# KiCad board CowPi-mk4b.kicad_pcb
title: Cow Pi; date: 2023-09-29; rev: mk4b; note: This source describes Open Hardware and is licensed under the CRN-OHLP v2.; note: Copyright (c) 2023 Christopher A. Bohn; note: Display Module: I2C-controlled, pre-packaged SSD13xx 128x64 OLED graphic display; note: Microcontroller: Raspberry Pi Pico -- ADC/SWD/UART at 3.3V; other pins boosted to 5V
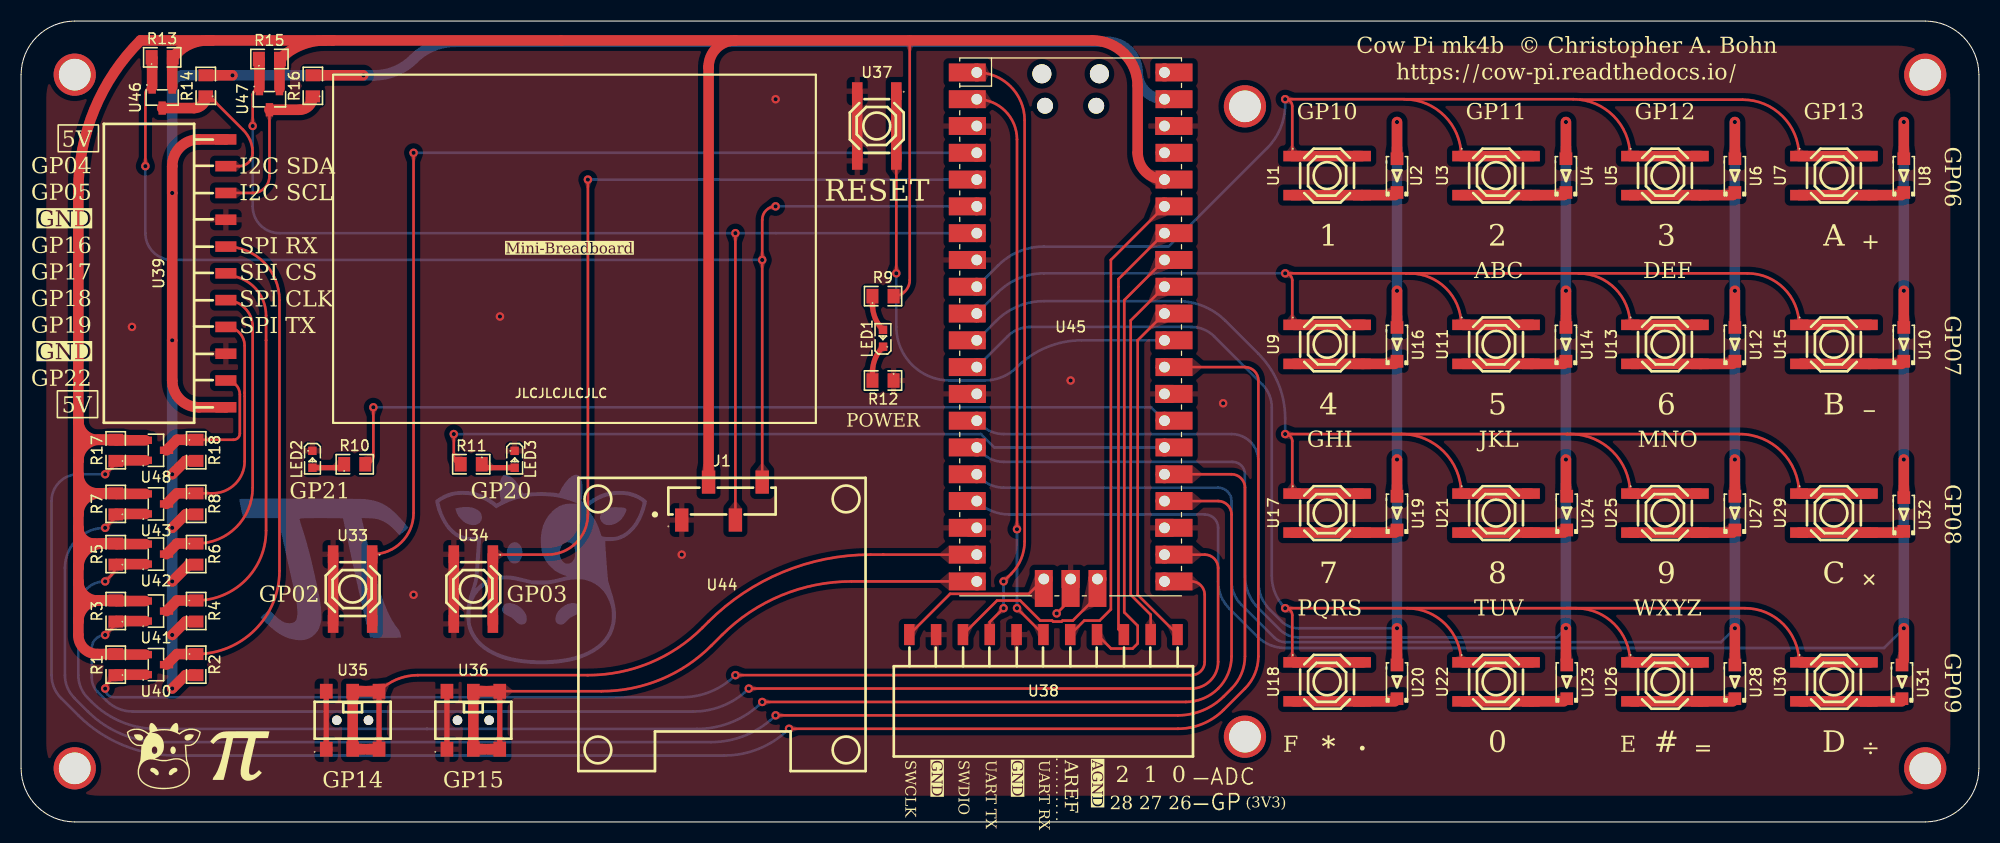
[diagram p0: board, top side]
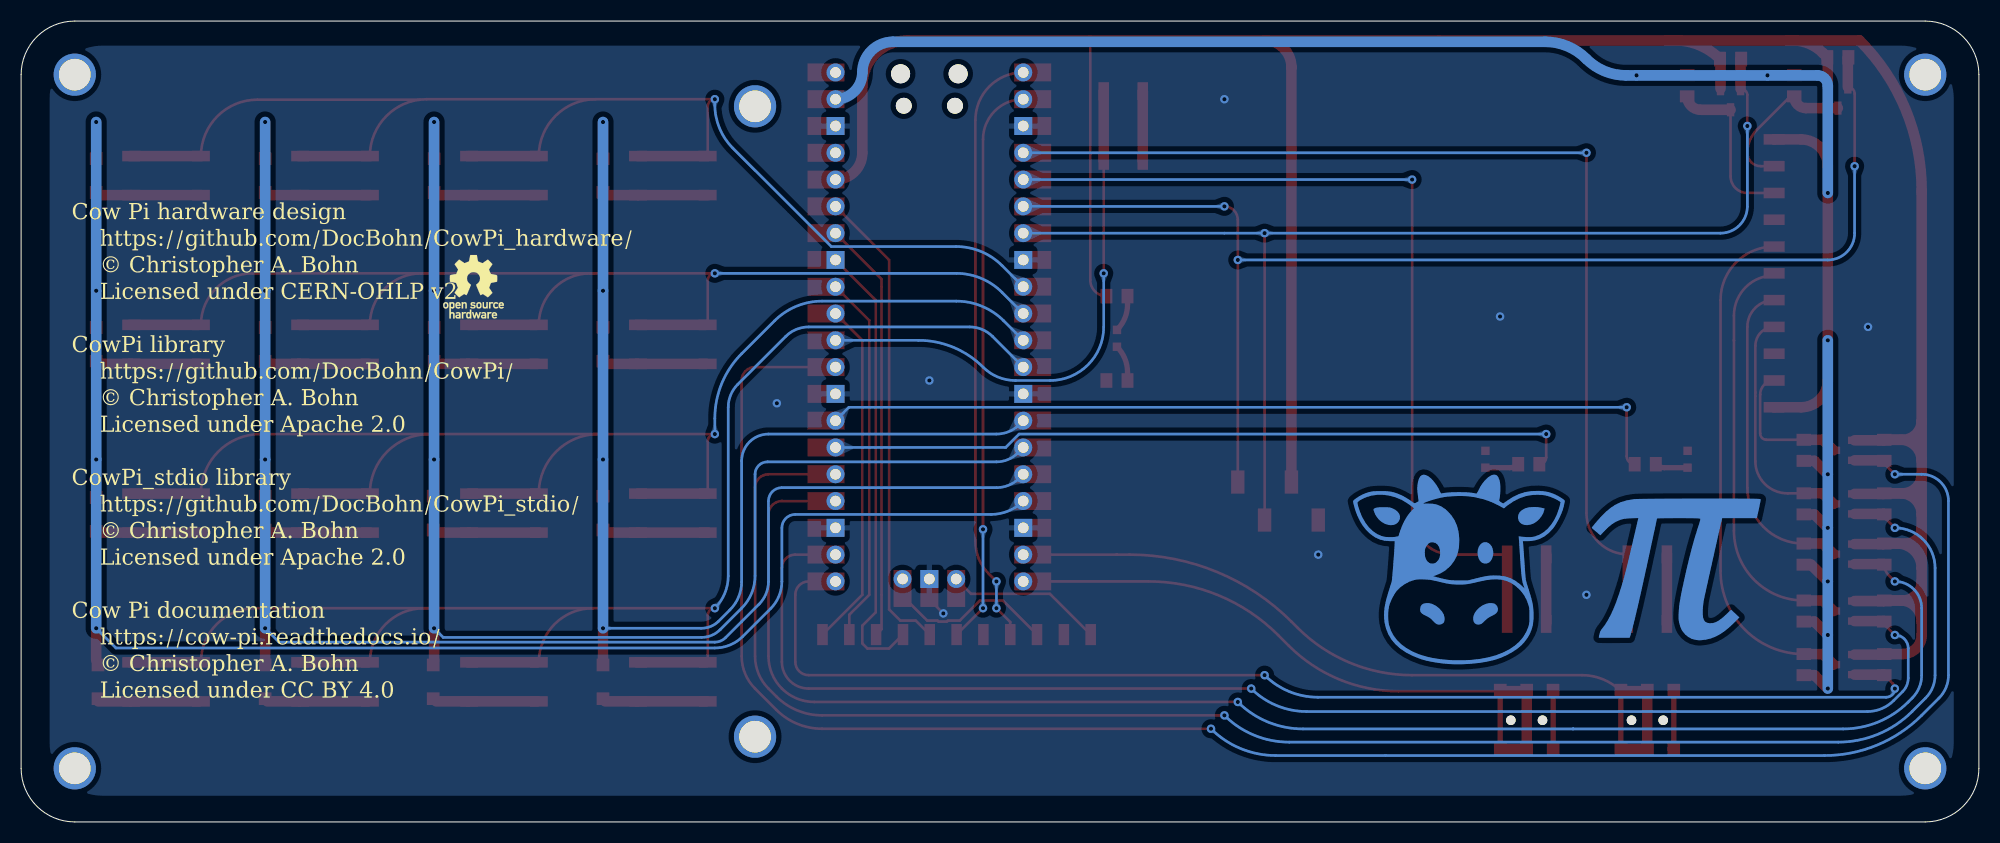
[diagram p1: board, bottom side, seen from below]

Outline 185.42 x 75.93 mm; copper layers: Top, Bottom. Coordinates in mm from the lower left corner of the outline.
Outline path: 0,70.85 0,5.08 arc(1.49,1.49) 5.08,0 180.34,0 arc(183.93,1.49) 185.42,5.08 185.42,70.85 arc(183.93,74.44) 180.34,75.93 5.08,75.93 arc(1.49,74.44) 0,70.85
Stack: Top 0.035mm / dielectric 1.51mm FR4 er 4.5 / Bottom 0.035mm

## Placement (name value [footprint] x y rotation side)
G***  LOGO  [CowPiLogo-14x7]  16.85 6.29 0 top
G***#2  LOGO  [CowPiLogo-40x20]  39.71 24.07 180 bottom
H1  MountingHole  [MountingHole_3mm_Pad]  5.08 5.08 0 top
H2  MountingHole  [MountingHole_3mm_Pad]  180.34 5.08 0 top
H3  MountingHole  [MountingHole_3mm_Pad]  5.08 70.85 0 top
H4  MountingHole  [MountingHole_3mm_Pad]  180.34 70.85 0 top
H5  MountingHole  [MountingHole_3mm_Pad]  115.91 67.85 0 top
H6  MountingHole  [MountingHole_3mm_Pad]  115.91 8.08 0 top
J1  X6511WVS-04H-C60D48R2  [HDR-SMD_4P-P2.54-V-M-LS4.8_R2]  66.38 30.42 0 top
LED1  KT-0603R  [LED0603-RD]  81.63 45.85 90 top
LED2  KT-0603R  [LED0603-RD]  27.59 34.38 270 top
LED3  KT-0603R  [LED0603-RD]  46.74 34.38 270 top
R1  0805W8F1002T5E  [R0805]  8.96 14.91 90 top
R2  0805W8F1002T5E  [R0805]  16.58 14.91 270 top
R3  0805W8F1002T5E  [R0805]  8.96 19.99 90 top
R4  0805W8F1002T5E  [R0805]  16.58 19.99 270 top
R5  0805W8F1002T5E  [R0805]  8.96 25.39 90 top
R6  0805W8F1002T5E  [R0805]  16.58 25.39 270 top
R7  0805W8F1002T5E  [R0805]  8.96 30.15 90 top
R8  0805W8F1002T5E  [R0805]  16.58 30.15 270 top
R9  0805W8F1001T5E  [R0805]  81.63 49.85 0 top
R10  0805W8F1001T5E  [R0805]  31.6 33.91 0 top
R11  0805W8F1001T5E  [R0805]  42.63 33.91 180 top
R12  0805W8F1001T5E  [R0805]  81.63 41.85 180 top
R13  0805W8F1002T5E  [R0805]  13.36 72.49 0 top
R14  0805W8F1002T5E  [R0805]  17.49 69.79 90 top
R15  0805W8F1002T5E  [R0805]  23.52 72.33 0 top
R16  0805W8F1002T5E  [R0805]  27.63 69.79 90 top
R17  0805W8F1002T5E  [R0805]  8.96 35.23 90 top
R18  0805W8F1002T5E  [R0805]  16.58 35.23 270 top
REF**  -  [OSHW-Logo_5.7x6mm_SilkScreen]  142.58 50.74 180 bottom
U1  TS-1187A-B-A-B  [SW-SMD_4P-L5.1-W5.1-P3.70-LS6.5-TL-2]  123.69 61.28 0 top
U2  1N4001_C2892326  [SOD-123FL_L2.8-W1.8-LS3.7-RD]  130.31 61.28 90 top
U3  TS-1187A-B-A-B  [SW-SMD_4P-L5.1-W5.1-P3.70-LS6.5-TL-2]  139.69 61.28 0 top
U4  1N4001_C2892326  [SOD-123FL_L2.8-W1.8-LS3.7-RD]  146.31 61.28 90 top
U5  TS-1187A-B-A-B  [SW-SMD_4P-L5.1-W5.1-P3.70-LS6.5-TL-2]  155.69 61.28 0 top
U6  1N4001_C2892326  [SOD-123FL_L2.8-W1.8-LS3.7-RD]  162.31 61.28 90 top
U7  TS-1187A-B-A-B  [SW-SMD_4P-L5.1-W5.1-P3.70-LS6.5-TL-2]  171.69 61.28 0 top
U8  1N4001_C2892326  [SOD-123FL_L2.8-W1.8-LS3.7-RD]  178.31 61.28 90 top
U9  TS-1187A-B-A-B  [SW-SMD_4P-L5.1-W5.1-P3.70-LS6.5-TL-2]  123.69 45.28 0 top
U10  1N4001_C2892326  [SOD-123FL_L2.8-W1.8-LS3.7-RD]  178.31 45.28 90 top
U11  TS-1187A-B-A-B  [SW-SMD_4P-L5.1-W5.1-P3.70-LS6.5-TL-2]  139.69 45.28 0 top
U12  1N4001_C2892326  [SOD-123FL_L2.8-W1.8-LS3.7-RD]  162.31 45.28 90 top
U13  TS-1187A-B-A-B  [SW-SMD_4P-L5.1-W5.1-P3.70-LS6.5-TL-2]  155.69 45.28 0 top
U14  1N4001_C2892326  [SOD-123FL_L2.8-W1.8-LS3.7-RD]  146.31 45.28 90 top
U15  TS-1187A-B-A-B  [SW-SMD_4P-L5.1-W5.1-P3.70-LS6.5-TL-2]  171.69 45.28 0 top
U16  1N4001_C2892326  [SOD-123FL_L2.8-W1.8-LS3.7-RD]  130.31 45.28 90 top
U17  TS-1187A-B-A-B  [SW-SMD_4P-L5.1-W5.1-P3.70-LS6.5-TL-2]  123.69 29.28 0 top
U18  TS-1187A-B-A-B  [SW-SMD_4P-L5.1-W5.1-P3.70-LS6.5-TL-2]  123.69 13.28 0 top
U19  1N4001_C2892326  [SOD-123FL_L2.8-W1.8-LS3.7-RD]  130.31 29.28 90 top
U20  1N4001_C2892326  [SOD-123FL_L2.8-W1.8-LS3.7-RD]  130.31 13.28 90 top
U21  TS-1187A-B-A-B  [SW-SMD_4P-L5.1-W5.1-P3.70-LS6.5-TL-2]  139.69 29.28 0 top
U22  TS-1187A-B-A-B  [SW-SMD_4P-L5.1-W5.1-P3.70-LS6.5-TL-2]  139.69 13.28 0 top
U23  1N4001_C2892326  [SOD-123FL_L2.8-W1.8-LS3.7-RD]  146.39 13.28 90 top
U24  1N4001_C2892326  [SOD-123FL_L2.8-W1.8-LS3.7-RD]  146.39 29.28 90 top
U25  TS-1187A-B-A-B  [SW-SMD_4P-L5.1-W5.1-P3.70-LS6.5-TL-2]  155.69 29.28 0 top
U26  TS-1187A-B-A-B  [SW-SMD_4P-L5.1-W5.1-P3.70-LS6.5-TL-2]  155.69 13.28 0 top
U27  1N4001_C2892326  [SOD-123FL_L2.8-W1.8-LS3.7-RD]  162.31 29.28 90 top
U28  1N4001_C2892326  [SOD-123FL_L2.8-W1.8-LS3.7-RD]  162.31 13.28 90 top
U29  TS-1187A-B-A-B  [SW-SMD_4P-L5.1-W5.1-P3.70-LS6.5-TL-2]  171.69 29.28 0 top
U30  TS-1187A-B-A-B  [SW-SMD_4P-L5.1-W5.1-P3.70-LS6.5-TL-2]  171.69 13.28 0 top
U31  1N4001_C2892326  [SOD-123FL_L2.8-W1.8-LS3.7-RD]  178.14 13.28 90 top
U32  1N4001_C2892326  [SOD-123FL_L2.8-W1.8-LS3.7-RD]  178.31 29.15 90 top
U33  TS-1187A-B-A-B  [SW-SMD_4P-L5.1-W5.1-P3.70-LS6.5-TL-2]  31.4 22.07 270 top
U34  TS-1187A-B-A-B  [SW-SMD_4P-L5.1-W5.1-P3.70-LS6.5-TL-2]  42.83 22.07 270 top
U35  SS-3390S-L0  [SW-SMD_6P-P2.50_L3.5-W7.2]  31.4 9.64 0 top
U36  SS-3390S-L0  [SW-SMD_6P-P2.50_L3.5-W7.2]  42.83 9.64 0 top
U37  TS-1187A-B-A-B  [SW-SMD_4P-L5.1-W5.1-P3.70-LS6.5-TL-2]  81.04 65.98 270 top
U38  X6511FRS-11-C85D30  [HDR-SMD_11P-P2.54-H-F-L11.5]  96.82 17.76 0 top
U39  X6511FRS-11-C85D30  [HDR-SMD_11P-P2.54-H-F-L11.5]  19.39 52.01 270 top
U40  BSS138_C3015220  [SOT-23-3_L2.9-W1.3-P1.90-LS2.4-BR-1]  12.77 14.91 180 top
U41  BSS138_C3015220  [SOT-23-3_L2.9-W1.3-P1.90-LS2.4-BR-1]  12.77 19.99 180 top
U42  BSS138_C3015220  [SOT-23-3_L2.9-W1.3-P1.90-LS2.4-BR-1]  12.77 25.39 180 top
U43  BSS138_C3015220  [SOT-23-3_L2.9-W1.3-P1.90-LS2.4-BR-1]  12.77 30.15 180 top
U44  HS96L03W2C03  [OLED-TH_L27.8-W27.2-P2.54_C9900033791]  66.38 30.42 0 top
U45  Pico  [RPi_Pico_SMD_TH]  99.4 46.93 0 top
U46  BSS138_C3015220  [SOT-23-3_L2.9-W1.3-P1.90-LS2.4-BR-1]  13.36 68.68 90 top
U47  BSS138_C3015220  [SOT-23-3_L2.9-W1.3-P1.90-LS2.4-BR-1]  23.52 68.52 90 top
U48  BSS138_C3015220  [SOT-23-3_L2.9-W1.3-P1.90-LS2.4-BR-1]  12.77 35.23 180 top

## Library data of the parts
H1-H6 = -: Description: Mounting Hole without connection
J1 = -: LCSC: C2883761
LED1-LED3 = -: LCSC: C2286
R1-R8 R13-R18 = -: LCSC: C17414
R9-R12 = -: LCSC: C17513
U1 U3 U5 U7 U9 U11 U13 U15 U17 U18 U21 U22 U25 U26 U29 U30 U33 U34 U37 = -: LCSC: C318884
U2 U4 U6 U8 U10 U12 U14 U16 U19 U20 U23 U24 U27 U28 U31 U32 = -: LCSC: C2892326
U35 U36 = -: LCSC: C318999
U38 U39 = -: LCSC: C5142244
U40-U43 U46-U48 = -: LCSC: C3015220
U44 = -: LCSC: C5248080

## Footprints (pads in the part's own frame, mm; a bottom-side part is the same pattern mirrored in y, then rotated)
HDR-SMD_4P-P2.54-V-M-LS4.8_R2
  rect 1.27x2.2 smd: 1(-3.81,-1.8) 2(-1.27,1.8) 3(1.27,-1.8) 4(3.81,1.8)
HDR-SMD_11P-P2.54-H-F-L11.5
  rect 1x2 smd: 1(-12.7,0) 2(-10.16,0) 3(-7.62,0) 4(-5.08,0) 5(-2.54,0) 6(0,0) 7(2.54,0) 8(5.08,0) 9(7.62,0) 10(10.16,0) 11(12.7,0)
LED0603-RD
  rect 0.8x0.8 smd: 1(-0.799,-0.003) 2(0.799,0.003)
MountingHole_3mm_Pad
  round 4 hole 3: 1(0,0)
R0805
  rect 1.133x1.377 smd: 1(-1,0) 2(1,0)
RPi_Pico_SMD_TH
  oval 1.8x1.8 hole 1.8 unplated: (-2.725,24) (2.725,24)
  oval 1.5x1.5 hole 1.5 unplated: (-2.425,20.97) (2.425,20.97)
  oval 1.7x1.7 hole 1.02: 1(-8.89,24.13) 2(-8.89,21.59) 4(-8.89,16.51) 5(-8.89,13.97) 6(-8.89,11.43) 7(-8.89,8.89) 9(-8.89,3.81) 10(-8.89,1.27) 11(-8.89,-1.27) 12(-8.89,-3.81) 14(-8.89,-8.89) 15(-8.89,-11.43) 16(-8.89,-13.97) 17(-8.89,-16.51) 19(-8.89,-21.59) 20(-8.89,-24.13) 21(8.89,-24.13) 22(8.89,-21.59) 24(8.89,-16.51) 25(8.89,-13.97) 26(8.89,-11.43) 27(8.89,-8.89) 29(8.89,-3.81) 30(8.89,-1.27) 31(8.89,1.27) 32(8.89,3.81) 34(8.89,8.89) 35(8.89,11.43) 36(8.89,13.97) 37(8.89,16.51) 39(8.89,21.59) 40(8.89,24.13) 41(-2.54,-23.9) 43(2.54,-23.9)
  rect 3.5x1.7 smd: 1(-8.89,24.13) 2(-8.89,21.59) 3(-8.89,19.05) 4(-8.89,16.51) 5(-8.89,13.97) 6(-8.89,11.43) 7(-8.89,8.89) 8(-8.89,6.35) 9(-8.89,3.81) 10(-8.89,1.27) 11(-8.89,-1.27) 12(-8.89,-3.81) 13(-8.89,-6.35) 14(-8.89,-8.89) 15(-8.89,-11.43) 16(-8.89,-13.97) 17(-8.89,-16.51) 18(-8.89,-19.05) 19(-8.89,-21.59) 20(-8.89,-24.13) 21(8.89,-24.13) 22(8.89,-21.59) 23(8.89,-19.05) 24(8.89,-16.51) 25(8.89,-13.97) 26(8.89,-11.43) 27(8.89,-8.89) 28(8.89,-6.35) 29(8.89,-3.81) 30(8.89,-1.27) 31(8.89,1.27) 32(8.89,3.81) 33(8.89,6.35) 34(8.89,8.89) 35(8.89,11.43) 36(8.89,13.97) 37(8.89,16.51) 38(8.89,19.05) 39(8.89,21.59) 40(8.89,24.13)
  rect 1.7x1.7 hole 1.02: 3(-8.89,19.05) 8(-8.89,6.35) 13(-8.89,-6.35) 18(-8.89,-19.05) 23(8.89,-19.05) 28(8.89,-6.35) 33(8.89,6.35) 38(8.89,19.05) 42(0,-23.9)
  rect 1.7x3.5 smd: 41(-2.54,-23.9) 42(0,-23.9) 43(2.54,-23.9)
SOD-123FL_L2.8-W1.8-LS3.7-RD
  rect 1.2x1.2 smd: 1(-1.6,0) 2(1.6,0)
SOT-23-3_L2.9-W1.3-P1.90-LS2.4-BR-1
  rect 1.25x0.7 smd: 1(1,-0.95) 2(1,0.95) 3(-1,0)
SW-SMD_4P-L5.1-W5.1-P3.70-LS6.5-TL-2
  rect 1.7x1 smd: 1(-3.3,1.85) 2(3.3,1.85) 3(-3.3,-1.85) 4(3.3,-1.85)
SW-SMD_6P-P2.50_L3.5-W7.2
  round 0.9 hole 0.9 unplated: (-1.5,0) (1.5,0)
  rect 1.2x1.4 smd: 1(-2.5,-2.75) 2(0,-2.75) 3(2.5,-2.75) 4(-2.5,2.75) 5(0,2.75) 6(2.5,2.75)

## Nets
/3V3: J1.2 R1.2 R3.2 R5.2 R7.2 R9.2 R13.2 R15.2 R17.2 U40.1 U41.1 U42.1 U43.1 U45.36 U46.1 U47.1 U48.1
/3V3_EN: U45.37
/AGND: U38.8 U45.33
/GND: J1.1 LED2.1 LED3.1 R12.1 U33.3 U33.4 U34.3 U34.4 U35.1 U35.4 U36.1 U36.4 U37.3 U37.4 U38.2 U38.5 U39.4 U39.9 U45.3 U45.8 U45.13 U45.18 U45.23 U45.28 U45.38 U45.42
/VBUS: U45.40
/ADC_VREF: U38.7 U45.35
/Col1: U2.2 U16.2 U19.2 U20.2 U45.14
/Col2: U4.2 U14.2 U23.2 U24.2 U45.15
/Col3: U6.2 U12.2 U27.2 U28.2 U45.16
/ColA: U8.2 U10.2 U31.2 U32.2 U45.17
/GP26_ADC0: U38.11 U45.31
/GP27_ADC1: U38.10 U45.32
/GP28_ADC2: U38.9 U45.34
/HV_GP04_I2C_SDA: R14.1 U39.2 U46.3
/HV_GP05_I2C_SCL: R16.1 U39.3 U47.3
/HV_GP16_SPI_RX: R2.1 U39.5 U40.3
/HV_GP17_SPI_CS: R4.1 U39.6 U41.3
/HV_GP18_SPI_CLK: R6.1 U39.7 U42.3
/HV_GP19_SPI_TX: R8.1 U39.8 U43.3
/HV_GP22: R18.1 U39.10 U48.3
/LeftButton: U33.1 U33.2 U45.4
/LeftLED: R10.2 U45.27
/LeftSwitch: U35.2 U35.3 U35.5 U35.6 U45.19
/LV_GP04_I2C_SDA: J1.4 R13.1 U45.6 U46.2
/LV_GP05_I2C_SCL: J1.3 R15.1 U45.7 U47.2
/LV_GP16_SPI_RX: R1.1 U40.2 U45.21
/LV_GP17_SPI_CS: R3.1 U41.2 U45.22
/LV_GP18_SPI_CLK: R5.1 U42.2 U45.24
/LV_GP19_SPI_TX: R7.1 U43.2 U45.25
/LV_GP22: R17.1 U45.29 U48.2
/RightButton: U34.1 U34.2 U45.5
/RightLED: R11.2 U45.26
/RightSwitch: U36.2 U36.3 U36.5 U36.6 U45.20
/Row1: U1.1 U1.2 U3.1 U3.2 U5.1 U5.2 U7.1 U7.2 U45.9
/Row4: U9.1 U9.2 U11.1 U11.2 U13.1 U13.2 U15.1 U15.2 U45.10
/Row7: U17.1 U17.2 U21.1 U21.2 U25.1 U25.2 U29.1 U29.2 U45.11
/Row*: U18.1 U18.2 U22.1 U22.2 U26.1 U26.2 U30.1 U30.2 U45.12
/RUN: U37.1 U37.2 U45.30
/SWCLK: U38.1 U45.41
/SWDIO: U38.3 U45.43
/UART_RX: U38.6 U45.2
/UART_TX: U38.4 U45.1
/VSYS: R2.2 R4.2 R6.2 R8.2 R14.2 R16.2 R18.2 U39.1 U39.11 U45.39
Net-(LED1-A): LED1.2 R9.1
Net-(LED1-K): LED1.1 R12.2
Net-(LED2-A): LED2.2 R10.1
Net-(LED3-A): LED3.2 R11.1
Net-(U1-C): U1.3 U1.4 U2.1
Net-(U3-C): U3.3 U3.4 U4.1
Net-(U5-C): U5.3 U5.4 U6.1
Net-(U7-C): U7.3 U7.4 U8.1
Net-(U10-K): U10.1 U15.3 U15.4
Net-(U11-C): U11.3 U11.4 U14.1
Net-(U12-K): U12.1 U13.3 U13.4
Net-(U16-K): U9.3 U9.4 U16.1
Net-(U17-C): U17.3 U17.4 U19.1
Net-(U18-C): U18.3 U18.4 U20.1
Net-(U21-C): U21.3 U21.4 U24.1
Net-(U22-C): U22.3 U22.4 U23.1
Net-(U25-C): U25.3 U25.4 U27.1
Net-(U26-C): U26.3 U26.4 U28.1
Net-(U29-C): U29.3 U29.4 U32.1
Net-(U30-C): U30.3 U30.4 U31.1

Pads without a net: H1 1; H2 1; H3 1; H4 1; H5 1; H6 1

## Via types
v1: diameter 0.8, hole 0.4, Top to Bottom, 61 vias

## Routing (per net, layer and track width the routed paths; a pad name or vN(x,y) marks a point on that pad's centre or on a via; arc(x,y) is an arc through that point)
/3V3: length 304.8
  Top w0.25: 84.16,74.1 84.16,51.38 arc(83.71,50.3) R9.2
  Top w1: 5.42,34.23 5.42,38.04 ; 5.42,34.23 5.42,32.96 ; 5.42,34.23 arc(6.01,35.65) 7.42,36.23 R17.2 ; 5.42,38.04 5.42,59.87 arc(6.95,67.57) 11.31,74.1 18.12,74.1 ; 5.42,38.04 arc(5.95,36.76) 7.23,36.23 R17.2 ; R17.2 arc(8.97,36.2) 9.01,36.18 U48.1 ; R3.2 7.42,20.99 arc(6.01,20.41) 5.42,18.99 ; R3.2 7.23,20.99 arc(5.95,21.52) 5.42,22.8 ; R3.2 arc(8.97,20.96) 9.01,20.94 U41.1 ; J1.2 65.11,71.56 arc(65.85,73.36) 67.65,74.1 ; 18.12,74.1 29.55,74.1 ; 18.12,74.1 17.67,74.1 arc(16.1,73.79) 14.76,72.9 R13.2 ; 29.55,74.1 28.79,74.1 arc(26.48,73.64) R15.2 arc(24.48,72.32) 24.47,72.28 U47.1 ; 29.55,74.1 67.65,74.1 ; 5.42,27.88 5.42,24.07 ; 5.42,27.88 5.42,29.15 ; 5.42,27.88 arc(5.86,26.83) 6.91,26.39 R5.2 ; 5.42,24.07 5.42,22.8 ; 5.42,24.07 arc(6.1,25.71) 7.74,26.39 R5.2 ; U43.1 9.01,31.1 arc(8.97,31.12) R7.2 ; R7.2 7.42,31.15 arc(6.01,30.57) 5.42,29.15 ; R7.2 7.23,31.15 arc(5.95,31.68) 5.42,32.96 ; R5.2 arc(8.97,26.36) 9.01,26.34 U42.1 ; 5.42,32.96 5.42,29.15 ; U46.1 14.31,72.44 ; 5.42,18.99 5.42,17.72 arc(5.95,16.44) 7.23,15.91 R1.2 arc(8.97,15.88) 9.01,15.86 U40.1 ; 5.42,18.99 5.42,22.8 ; 67.65,74.1 101.44,74.1 arc(104.49,72.84) 105.75,69.79 105.75,63.44 arc(106.49,61.65) U45.36
/AGND: length 43.1
  Top w0.25: U38.8 103.23,16.44 105.27,16.44 105.75,16.92 105.75,18.6 104.48,19.87 104.48,49.47 U45.33
/GND: length 34.7
  Top w0.25: v1(98.08,19.77) 99.4,21.09 U45.42
  Top w0.5: U36.4 U36.1 ; U35.4 U35.1
  Top w1: U34.4 U34.3 ; U37.4 U37.3 ; 29,6.89 U35.1 ; U33.4 U33.3
  vias: v1(10.5,46.93) v1(37.17,21.53) v1(45.35,47.92) v1(62.57,25.34) v1(71.46,68.52) v1(99.4,41.85) v1(113.84,39.69)
/ADC_VREF: length 45.2
  Top w0.25: U38.7 100.69,19.09 102.14,19.09 103.21,20.15 103.21,53.28 U45.35
/Col1: length 115.7
  Top w1: 130.31,47.34 v1(130.31,50.36) ; 130.31,15.34 v1(130.31,18.36) ; 130.31,63.34 v1(130.31,66.36) ; 130.31,31.34 v1(130.31,34.36)
  Bottom w0.25: v1(130.31,18.36) 120.99,18.36 arc(120.1,18.54) 119.35,19.04 118.29,20.1 arc(117.47,21.33) 117.18,22.78 117.18,34.23 arc(116.44,36.03) 114.64,36.77 93.05,36.77 arc(91.88,37.01) 90.88,37.67 U45.14
  Bottom w1: v1(130.31,18.36) v1(130.31,34.36) v1(130.31,50.36) v1(130.31,66.36)
/Col2: length 130.2
  Top w1: 146.31,63.34 v1(146.31,66.36) ; 146.31,15.34 v1(146.31,18.36) ; 146.31,47.34 v1(146.31,50.36) ; 146.31,31.34 v1(146.31,34.36)
  Bottom w0.25: U45.15 91.04,34.97 arc(91.96,34.35) 93.05,34.14 114.73,34.14 arc(115.57,33.79) 115.91,32.96 115.91,23.33 arc(116.24,21.67) 117.18,20.26 119.21,18.23 arc(120.03,17.68) 120.99,17.49 145.44,17.49 v1(146.31,18.36)
  Bottom w1: v1(146.31,18.36) v1(146.31,34.36) v1(146.31,50.36) v1(146.31,66.36)
/Col3: length 144.1
  Top w1: 162.31,47.34 v1(162.31,50.36) ; 162.31,63.34 v1(162.31,66.36) ; 162.31,31.34 v1(162.31,34.36) ; 162.31,15.34 v1(162.31,18.36)
  Bottom w0.25: v1(162.31,18.36) 160.99,17.04 119.72,17.04 arc(119.17,17.15) 118.71,17.46 115.54,20.63 arc(114.87,21.63) 114.64,22.8 114.64,30.42 arc(114.27,31.32) 113.37,31.69 93.05,31.69 arc(91.88,31.93) 90.88,32.59 U45.16
  Bottom w1: v1(162.31,18.36) v1(162.31,34.36) v1(162.31,50.36) v1(162.31,66.36)
/ColA: length 158
  Top w1: 178.31,63.34 v1(178.31,66.36) ; 178.31,47.34 v1(178.31,50.36) ; 178.31,31.34 v1(178.31,34.36) ; 178.31,15.34 v1(178.31,18.36)
  Bottom w0.25: v1(178.31,18.36) 176.44,16.49 119.72,16.49 arc(118.28,16.77) 117.07,17.59 114.44,20.22 arc(113.65,21.4) 113.37,22.8 113.37,27.88 arc(113,28.78) 112.1,29.15 93.58,29.15 arc(91.92,29.48) U45.17
  Bottom w1: v1(178.31,18.36) v1(178.31,34.36) v1(178.31,50.36) v1(178.31,66.36)
/GP26_ADC0: length 33.1
  Top w0.25: U45.31 105.75,45.66 105.75,21.53 U38.11
/GP27_ADC1: length 35.1
  Top w0.25: U45.32 105.09,47.54 105.09,21.53 106.98,19.64 U38.10
/GP28_ADC2: length 40.1
  Top w0.25: U45.34 103.93,51.46 103.93,18.27 U38.9
/HV_GP04_I2C_SDA: length 15.3
  Top w0.25: U39.2 20.66,62.17 arc(21.56,62.54) 21.93,63.44 arc(21.7,64.62) 21.03,65.61 18.1,68.54 arc(17.82,68.73) R14.1
  Top w1: U46.3 16.38,67.68 arc(17.16,68.01) R14.1
/HV_GP05_I2C_SCL: length 16.2
  Top w0.25: U47.3 23.52,61.22 arc(23.05,60.1) 21.93,59.63 U39.3
  Top w1: U47.3 26.36,67.52 arc(27.26,67.89) R16.1
/HV_GP16_SPI_RX: length 49.3
  Top w0.25: U39.5 arc(22.98,53.06) 24.47,49.47 24.47,23.8 arc(22.16,18.22) R2.1
  Top w1: R2.1 14.77,15.91 U40.3
/HV_GP17_SPI_CS: length 40.2
  Top w0.25: U39.6 19.39,51.82 arc(22.08,50.7) 23.2,48.01 23.2,45.66 23.2,27.61 arc(21.26,22.93) R4.1
  Top w1: R4.1 14.77,20.99 U41.3
/HV_GP18_SPI_CLK: length 30.8
  Top w0.25: R6.1 16.63,26.39 arc(20.38,27.95) 21.93,31.69 21.93,46.93 arc(21.19,48.73) U39.7
  Top w1: R6.1 14.77,26.39 U42.3
/HV_GP19_SPI_TX: length 23.3
  Top w0.25: R8.1 18.12,31.15 arc(20.28,32.05) 21.17,34.21 21.17,40.35 21.17,40.69 21.17,45.16 arc(20.65,46.41) U39.8
  Top w1: U43.3 14.77,31.15 R8.1
/HV_GP22: length 13.5
  Top w0.25: R18.1 20.12,36.23 arc(20.54,36.41) 20.71,36.83 20.71,40.53 arc(20.33,41.46) U39.10
  Top w1: U48.3 14.77,36.23 R18.1
/LeftButton: length 100.2
  Top w0.25: v1(37.17,63.44) 37.17,29.29 arc(36.02,26.52) U33.1
  Top w1: U33.2 U33.1
  Bottom w0.25: U45.4 v1(37.17,63.44)
/LeftLED: length 81.3
  Top w0.25: v1(33.36,39.31) 33.36,34.68 arc(33.14,34.14) R10.2
  Bottom w0.25: v1(33.36,39.31) 107.02,39.31 U45.27
/LeftSwitch: length 76.2
  Top w0.25: U45.19 81.62,25.34 80.44,25.34 arc(72.14,23.69) 65.11,18.99 64.52,18.4 arc(59.55,15.08) 53.68,13.91 37.58,13.91 arc(35.59,13.52) U35.6
  Top w0.5: U35.6 U35.3
  Top w1: U35.6 U35.5 U35.2 U35.3
/LV_GP04_I2C_SDA: length 122.8
  Top w0.25: J1.4 v1(70.19,53.28) 70.19,57.09 arc(70.56,57.99) v1(71.46,58.36) ; v1(11.77,62.17) 11.77,69.04 arc(11.96,69.5) U46.2
  Top w1: U46.2 12.41,72.44 arc(12.39,72.48) R13.1
  Bottom w0.25: v1(70.19,53.28) 14.31,53.28 arc(12.51,54.03) 11.77,55.82 v1(11.77,62.17) ; U45.6 v1(71.46,58.36)
/LV_GP05_I2C_SCL: length 111.6
  Top w0.25: v1(21.93,65.98) 21.93,65.98 21.93,68.95 arc(22.14,69.36) U47.2 ; v1(67.65,55.82) J1.3
  Top w1: U47.2 22.57,72.28 arc(22.55,72.32) R15.1
  Bottom w0.25: v1(21.93,65.98) 21.93,58.36 arc(22.67,56.57) 24.47,55.82 v1(67.65,55.82) U45.7
/LV_GP16_SPI_RX: length 121.3
  Top w0.25: R1.1 8.15,13.1 arc(8.01,12.89) v1(7.96,12.64) ; U45.21 110.83,22.8 arc(111.73,22.43) 112.1,21.53 112.1,15.18 arc(111.73,14.28) 110.83,13.91 v1(67.65,13.91)
  Top w1: U40.2 9.01,13.96 arc(8.97,13.95) R1.1
  Bottom w0.25: v1(7.96,12.64) arc(8.2,12.06) 8.78,11.82 62.6,11.82 arc(65.33,12.37) v1(67.65,13.91)
/LV_GP17_SPI_CS: length 134.2
  Top w0.25: U45.22 112.1,25.34 arc(113,24.97) 113.37,24.07 113.37,15.18 arc(112.63,13.39) 110.83,12.64 v1(68.92,12.64) ; v1(7.96,17.72) 8.77,18.53 arc(8.91,18.74) R3.1
  Top w1: U41.2 9.01,19.04 arc(8.97,19.03) R3.1
  Bottom w0.25: v1(68.92,12.64) arc(66.51,11.03) 63.66,10.47 10.57,10.47 arc(9.22,10.73) 8.08,11.5 7.23,12.34 arc(6.83,12.95) 6.69,13.66 6.69,16.45 arc(7.06,17.35) v1(7.96,17.72)
/LV_GP18_SPI_CLK: length 150.4
  Top w0.25: v1(70.19,11.37) 110.3,11.37 arc(111.96,11.7) 113.37,12.64 arc(114.31,14.05) 114.64,15.71 114.64,29.15 arc(114.27,30.05) 113.37,30.42 U45.24 ; v1(7.96,22.8) 8.54,23.39 arc(8.85,23.85) R5.1
  Top w1: U42.2 9.01,24.44 arc(8.97,24.43) R5.1
  Bottom w0.25: v1(7.96,22.8) arc(6.16,22.06) 5.42,20.26 5.42,13.91 arc(5.65,12.74) 6.32,11.74 6.69,11.37 arc(9.52,9.48) 12.86,8.82 38.42,8.82 38.44,8.83 38.46,8.82 64.01,8.82 arc(67.36,9.48) v1(70.19,11.37)
/LV_GP19_SPI_TX: length 163.1
  Top w0.25: v1(71.46,10.1) 109.56,10.1 arc(111.91,10.57) 113.9,11.9 114.64,12.64 arc(115.58,14.05) 115.91,15.71 115.91,31.69 arc(115.54,32.59) 114.64,32.96 U45.25 ; v1(7.96,27.88) 8.77,28.69 arc(8.91,28.9) R7.1
  Top w1: U43.2 9.01,29.2 arc(8.97,29.19) R7.1
  Bottom w0.25: v1(71.46,10.1) arc(68.65,8.22) 65.33,7.56 13.33,7.56 arc(9.54,8.32) 6.33,10.47 5.05,11.74 arc(4.38,12.74) 4.15,13.91 4.15,24.07 arc(5.27,26.77) v1(7.96,27.88)
/LV_GP22: length 184.9
  Top w0.25: U45.29 115.91,43.12 arc(116.81,42.75) 117.18,41.85 117.18,15.71 arc(116.85,14.05) 115.91,12.64 113.9,10.63 arc(111.91,9.3) 109.56,8.83 v1(72.73,8.83) ; v1(7.96,32.96) 8.77,33.77 arc(8.91,33.98) R17.1
  Top w1: U48.2 9.01,34.28 arc(8.97,34.27) R17.1
  Bottom w0.25: v1(7.96,32.96) 5.42,32.96 arc(3.62,32.22) 2.88,30.42 2.88,13.91 arc(3.11,12.74) 3.78,11.74 5.42,10.1 arc(9.64,7.28) 14.62,6.29 66.6,6.29 arc(69.92,6.95) v1(72.73,8.83)
/RightButton: length 86.4
  Top w0.25: v1(53.68,60.9) 53.68,29.15 arc(52.56,26.46) 49.87,25.34 44.71,25.34 arc(44.69,25.35) U34.1
  Top w1: U34.2 U34.1
  Bottom w0.25: U45.5 v1(53.68,60.9)
/RightLED: length 71.1
  Top w0.25: v1(40.98,36.77) 40.98,34.57 arc(41.17,34.11) R11.2
  Bottom w0.25: U45.26 92.17,35.5 90.9,36.77 v1(40.98,36.77)
/RightSwitch: length 64.1
  Top w0.25: U36.6 54.95,12.39 arc(60.58,13.51) 65.36,16.7 66.38,17.72 arc(72.01,21.48) 78.64,22.8 U45.20
  Top w0.5: U36.6 U36.3
  Top w1: U36.6 U36.5 U36.2 U36.3
/Row1: length 138.2
  Top w0.25: 131.15,68.52 147,68.52 arc(150.81,66.94) U5.1 ; 147.66,68.48 163.04,68.48 arc(166.82,66.91) U7.1 ; U1.1 120.39,67.85 arc(120.19,68.33) v1(119.72,68.52) 131,68.52 arc(134.81,66.94) U3.1
  Top w1: U1.1 U1.2 ; U3.1 143.14,63.13 ; U5.1 159.14,63.13 ; U7.1 175.14,63.13
  Bottom w0.25: U45.9 92.52,52.76 arc(94.51,54.09) 96.86,54.55 108.68,54.55 118.01,63.88 arc(119.28,65.77) 119.72,68.01 v1(119.72,68.52)
/Row4: length 129.3
  Top w0.25: 131.15,52.01 131.51,52.01 arc(134.96,50.58) U11.1 ; 131.15,52.01 147.51,52.01 ; 131.15,52.01 v1(119.72,52.01) arc(120.19,51.82) 120.39,51.34 U9.1 ; 147.51,52.01 163.51,52.01 arc(166.96,50.58) U15.1 ; 147.51,52.01 arc(150.96,50.58) U13.1
  Top w1: 152.54,47.13 159.14,47.13 ; 120.54,47.13 127.14,47.13 ; 136.54,47.13 143.14,47.13 ; 168.54,47.13 175.14,47.13
  Bottom w0.25: v1(119.72,52.01) 96.86,52.01 arc(94.51,51.55) 92.52,50.22 U45.10
/Row7: length 141.3
  Top w0.25: 146.39,36.77 146.75,36.77 arc(150.74,35.12) U25.1 ; 146.39,36.77 129.88,36.77 ; 146.39,36.77 162.75,36.77 arc(166.74,35.12) U29.1 ; 129.88,36.77 130.75,36.77 arc(134.74,35.12) U21.1 ; 129.88,36.77 v1(119.72,36.77) arc(120.19,36.58) 120.39,36.1 U17.1
  Top w1: U17.1 U17.2 ; U29.1 U29.2 ; U21.1 U21.2 ; U25.1 U25.2
  Bottom w0.25: U45.11 92.36,47.51 arc(94.42,48.89) 96.86,49.38 109.56,49.38 arc(111.99,48.89) 114.06,47.51 117.18,44.39 arc(119.06,41.58) 119.72,38.26 v1(119.72,36.77)
/Row*: length 152.9
  Top w0.25: 146.39,20.26 163.26,20.26 arc(166.89,18.76) U30.1 ; 146.39,20.26 147.26,20.26 arc(150.89,18.76) U26.1 ; 146.39,20.26 131.26,20.26 ; U18.1 120.39,19.59 arc(120.19,20.07) v1(119.72,20.26) 131.26,20.26 ; 131.26,20.26 arc(134.89,18.76) U22.1
  Top w1: 136.54,15.13 143.14,15.13 ; 168.54,15.13 175.14,15.13 ; 152.54,15.13 159.14,15.13 ; 120.54,15.13 127.14,15.13
  Bottom w0.25: U45.12 93.42,46.03 arc(94.42,46.7) 95.59,46.93 110.83,46.93 arc(112,46.7) 113,46.03 117.55,41.48 arc(118.22,40.49) 118.45,39.31 118.45,23.33 arc(118.78,21.67) v1(119.72,20.26)
/RUN: length 51.7
  Top w0.25: U37.2 v1(82.89,52.01)
  Top w1: U37.2 U37.1
  Bottom w0.25: U45.30 100.45,45.66 arc(97.13,45) 94.32,43.12 arc(92.91,42.18) 91.25,41.85 87.97,41.85 arc(84.38,43.34) 82.89,46.93 v1(82.89,52.01)
/SWCLK: length 14.9
  Top w0.25: U45.41 95.45,21.63 87.99,21.63 U38.1
/SWDIO: length 17.5
  Top w0.25: U45.43 101.94,21.42 99.6,19.09 98.63,19.09 98.54,18.99 97.74,18.99 97.65,19.09 96.52,19.09 94.62,20.99 92.43,20.99 U38.3
/UART_RX: length 54
  Top w0.25: U38.6 v1(94.32,20.26) ; v1(94.32,27.75) 94.32,64.71 arc(93.2,67.41) U45.2
  Bottom w0.25: v1(94.32,20.26) v1(94.32,27.75)
/UART_TX: length 57.1
  Top w0.25: v1(93.05,20.26) 91.74,18.95 U38.4 ; v1(93.05,22.8) 93.76,23.51 arc(94.71,24.94) 95.04,26.61 95.04,66.53 arc(93.72,69.73) U45.1
  Bottom w0.25: v1(93.05,20.26) v1(93.05,22.8)
/VSYS: length 196.5
  Top w0.25: 20.01,70.79 v1(20.02,70.78) ; 32.41,70.79 v1(32.42,70.78) arc(32.41,70.79) 32.4,70.79
  Top w1: R16.2 32.4,70.79 ; R6.2 15.9,24.39 v1(14.31,22.8) ; U39.1 16.85,64.71 arc(15.05,63.97) 14.31,62.17 v1(14.31,59.63) v1(14.31,45.66) 14.31,41.85 arc(15.05,40.06) 16.85,39.31 U39.11 ; R18.2 15.58,34.23 v1(14.31,32.96) ; R4.2 15.58,18.99 v1(14.31,17.72) ; v1(14.31,27.88) 15.58,29.15 R8.2 ; v1(14.31,12.65) 15.58,13.91 R2.2 ; R14.2 20.01,70.79
  Bottom w0.25: 37.17,72.33 37.2,72.36
  Bottom w1: v1(14.31,12.65) v1(14.31,17.72) v1(14.31,22.8) v1(14.31,27.88) v1(14.31,32.96) v1(14.31,45.66) ; v1(14.31,59.63) 14.31,69.79 arc(14.6,70.49) 15.3,70.78 v1(20.02,70.78) v1(32.42,70.78) 33.43,70.78 arc(35.45,71.19) 37.17,72.33 ; 37.2,72.36 arc(38.98,73.55) 41.08,73.97 102.84,73.97 arc(104.9,73.12) 105.75,71.06 arc(106.49,69.27) U45.39
Net-(LED1-A): length 3.5
  Top w0.5: R9.1 80.63,49.06 arc(80.89,47.76) LED1.2
Net-(LED1-K): length 3.5
  Top w0.5: R12.2 80.63,42.63 arc(80.89,43.94) LED1.1
Net-(LED2-A): length 3.1
  Top w0.5: LED2.2 29.8,33.59 arc(30.23,33.67) R10.1
Net-(LED3-A): length 3.2
  Top w0.5: LED3.2 44.43,33.58 arc(44,33.67) R11.1
Net-(U1-C): length 9.7
  Top w1: U1.3 U1.4 130.1,59.43
Net-(U3-C): length 9.7
  Top w1: 146.1,59.43 U3.4 U3.3
Net-(U5-C): length 9.7
  Top w1: U5.3 U5.4 162.1,59.43
Net-(U7-C): length 9.7
  Top w1: U7.3 U7.4 178.1,59.43
Net-(U10-K): length 9.7
  Top w1: U15.4 178.1,43.43 ; 168.54,43.43 175.14,43.43
Net-(U11-C): length 9.7
  Top w1: 136.54,43.43 143.14,43.43 ; U11.4 146.1,43.43
Net-(U12-K): length 9.7
  Top w1: U13.4 162.1,43.43 ; 152.54,43.43 159.14,43.43
Net-(U16-K): length 9.7
  Top w1: U9.4 130.1,43.43 ; 120.54,43.43 127.14,43.43
Net-(U17-C): length 9.7
  Top w1: U17.3 U17.4 130.1,27.43
Net-(U18-C): length 9.7
  Top w1: U18.4 130.1,11.43 ; 120.54,11.43 127.14,11.43
Net-(U21-C): length 9.7
  Top w1: U21.3 U21.4 146.1,27.43
Net-(U22-C): length 9.7
  Top w1: U22.4 146.1,11.43 ; 136.54,11.43 143.14,11.43
Net-(U25-C): length 9.7
  Top w1: 162.1,27.43 U25.4 U25.3
Net-(U26-C): length 9.7
  Top w1: 152.54,11.43 159.14,11.43 ; U26.4 162.1,11.43
Net-(U29-C): length 9.7
  Top w1: 178.1,27.43 U29.4 U29.3
Net-(U30-C): length 9.7
  Top w1: U30.4 178.1,11.43 ; 168.54,11.43 175.14,11.43

## Copper pours and planes (outline as drawn; the poured copper is in the pictures)
/GND on Top: 2.38,73.6 182.72,73.6 182.72,2.48 2.38,2.48
/GND on Bottom: 2.38,73.6 182.72,73.6 182.72,2.48 2.38,2.48

Small or netless copper shapes (teardrops, artwork), in the pictures only: 238 on Top, 49 on Bottom

## Text on the board
B.Silkscreen: Cow Pi hardware design / https://github.com/DocBohn/CowPi_hardware/ / © Christopher A. Bohn / Licensed under CERN-OHLP v2 / CowPi library / https://github.com/DocBohn/CowPi/ / © Christopher A. Bohn / Licensed under Apache 2.0 / CowPi_stdio library / https://github.com/DocBohn/CowPi_stdio/ / © Christopher A. Bohn / Licensed under Apache 2.0 / Cow Pi documentation / https://cow-pi.readthedocs.io/ / © Christopher A. Bohn / Licensed under CC BY 4.0
User.Comments: You may redistribute and modify this documentation and make products / using it under the terms of the CERN-OHL-P v2 (https:/cern.ch/cern-ohl). / This documentation is distributed WITHOUT ANY EXPRESS OR IMPLIED / WARRANTY, INCLUDING OF MERCHANTABILITY, SATISFACTORY QUALITY / AND FITNESS FOR A PARTICULAR PURPOSE. Please see the CERN-OHL-P v2 / for applicable conditions
F.Silkscreen: JLCJLCJLCJLC | (3V3) | Mini-Breadboard | SWCLK | GND | SWDIO | UART TX | UART RX | AGND | POWER | 28 27 26 | AREF | GP06 | GP07 | GP08 | GP09 | I2C SDA / I2C SCL / SPI RX / SPI CS / SPI CLK / SPI TX | —ADC / —GP | = | + | × | ÷ | GP10 | GP11 | GP12 | GP13 | GP02 | GP21 | GP14 | GP15 | GP20 | GP03 | 2  1  0 | GHI | PQRS | ABC | JKL | TUV | Cow Pi mk4b  © Christopher A. Bohn / https://cow-pi.readthedocs.io/ | DEF | MNO | WXYZ | 5V / GP04 / GP05 / GP16 / GP17 / GP18 / GP19 / GP22 / 5V | F | E | RESET | 1 | 4 | 7 | * | 2 | 5 | 8 | 0 | 3 | 6 | 9 | # | A | B | C | D | . | -
